# Altium PCB TimeKeeper.PcbDoc (part 1 of 2)
Units mm, origin at the board's own origin, x right, y up, seen from the top; angles counter-clockwise.
Board outline 127 x 94 mm, 4 copper layers (Top Layer, Layer 1, Layer 2, Bottom Layer), stack 0.603 mm thick; 87 components, 101 nets, 728 pads, 717 vias.
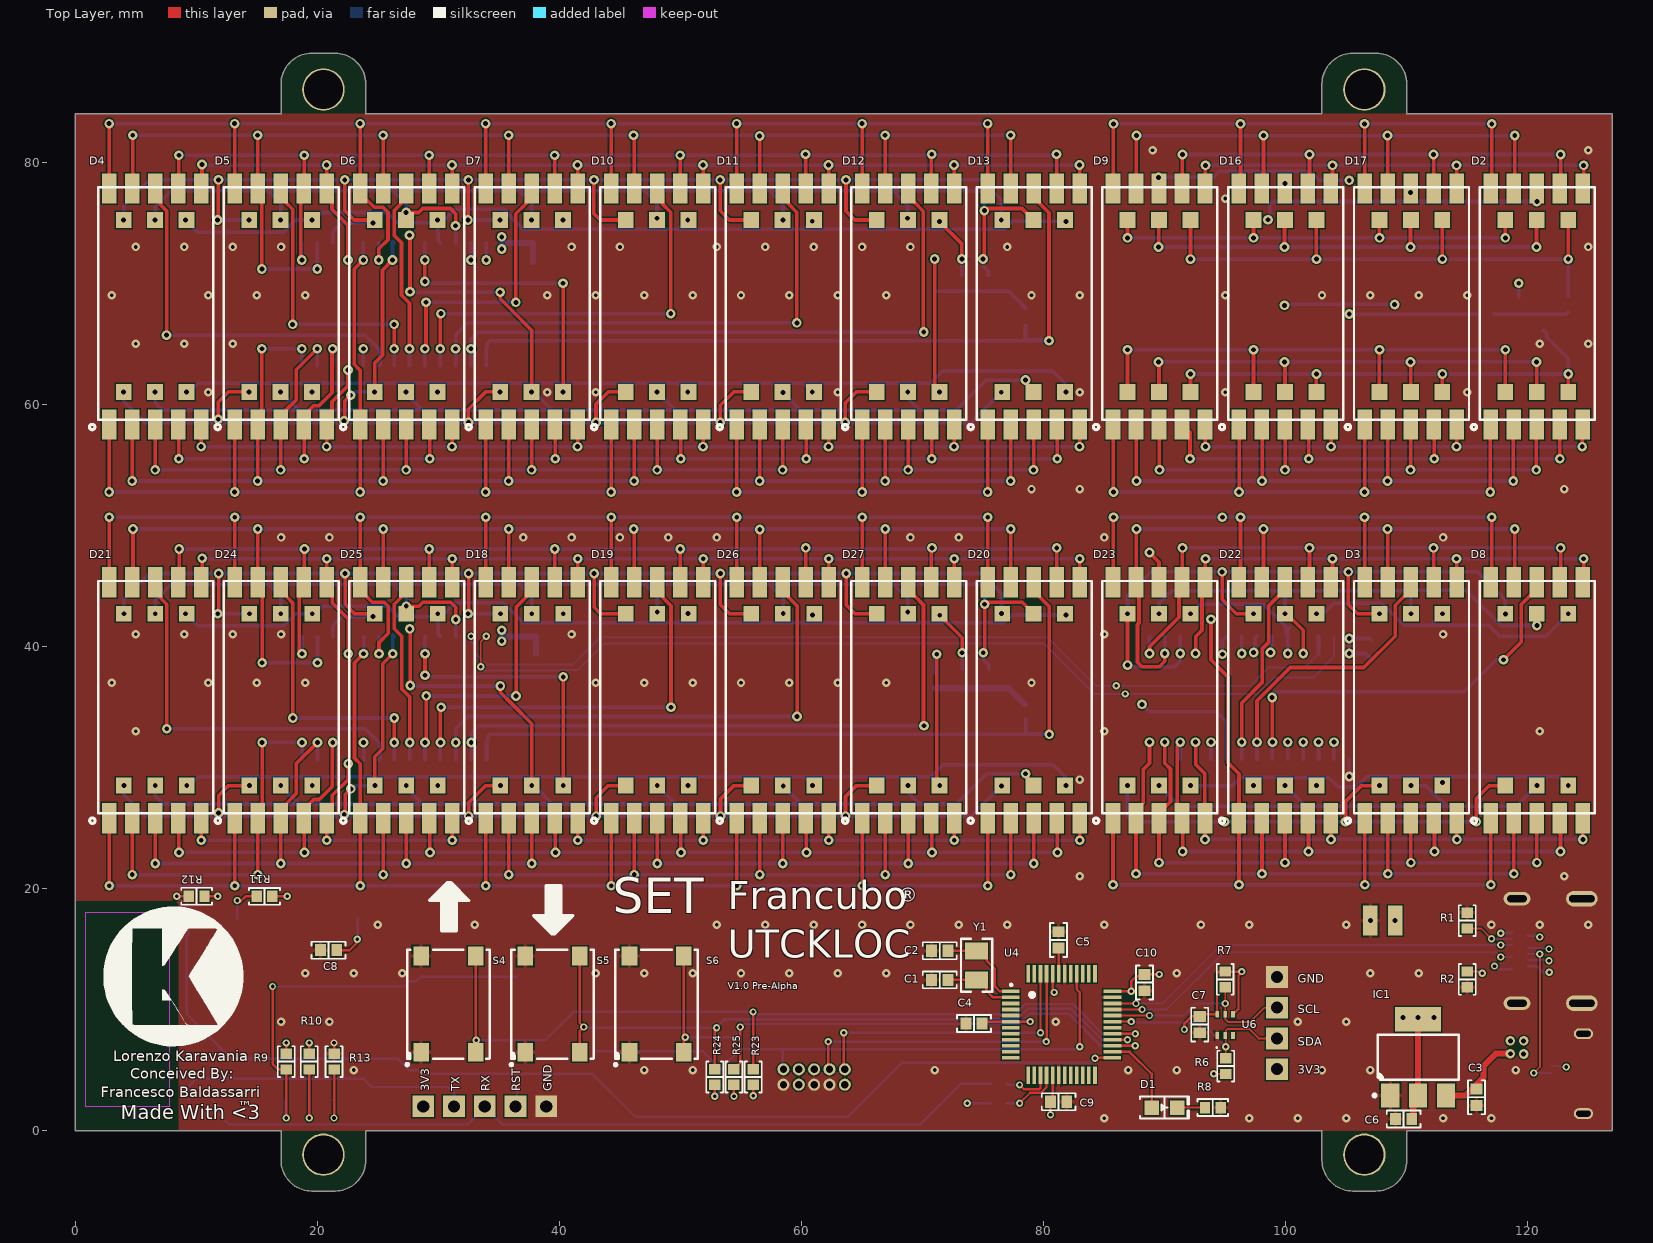
[diagram p0: Top Layer view]
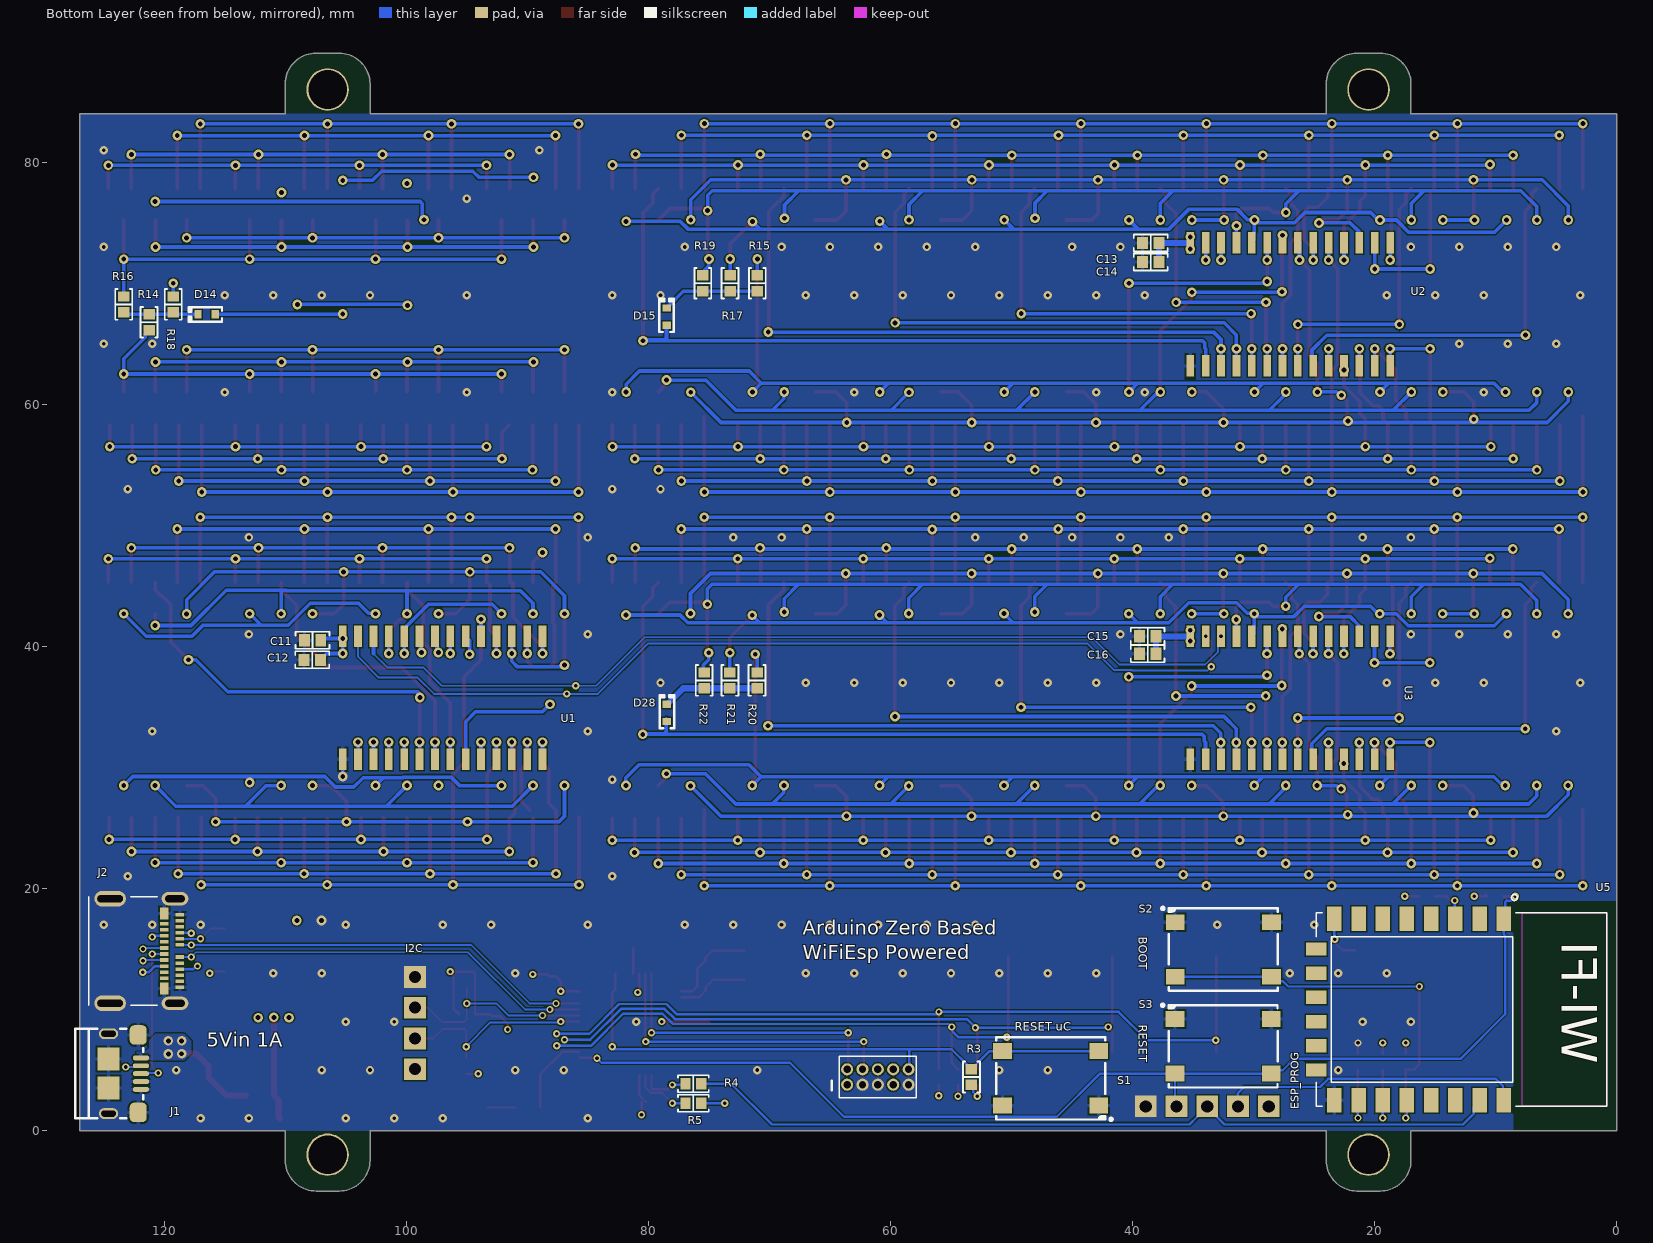
[diagram p1: Bottom Layer view, seen from below]
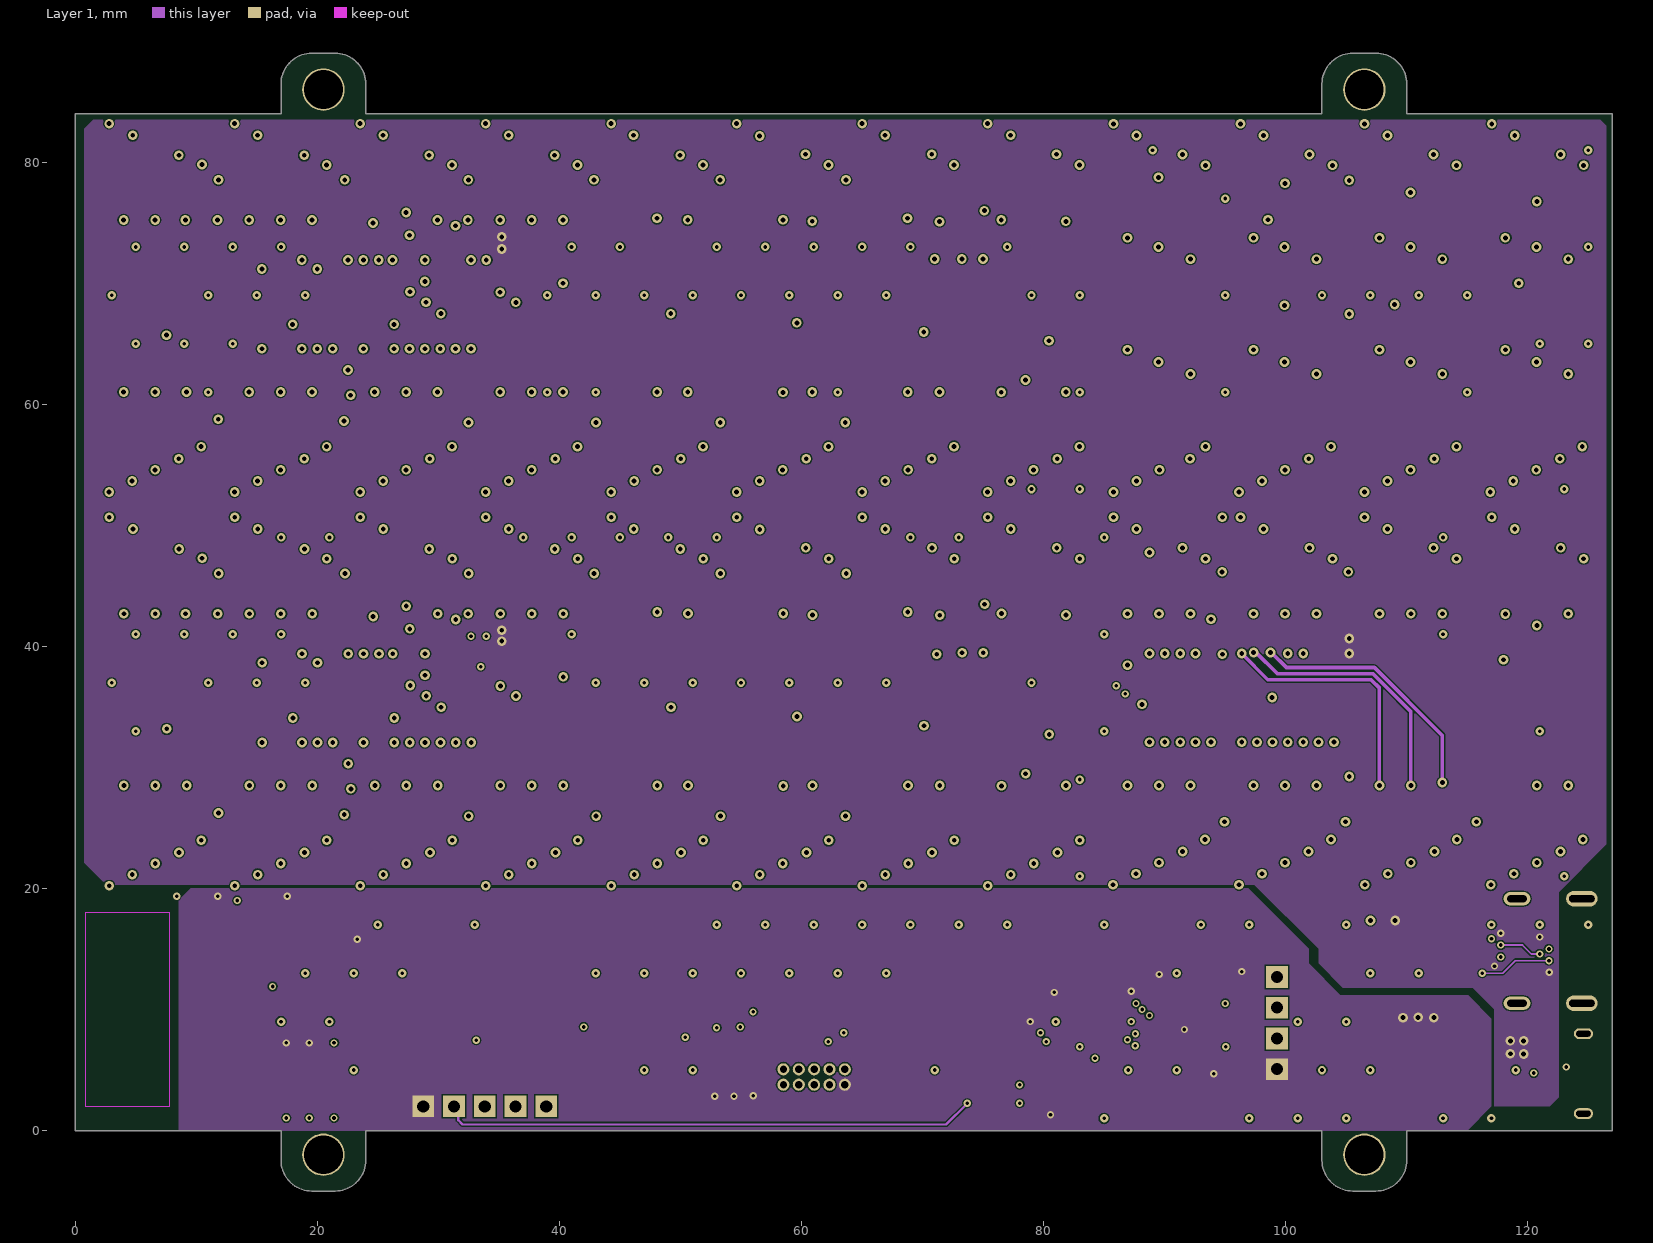
[diagram p2: Layer 1]
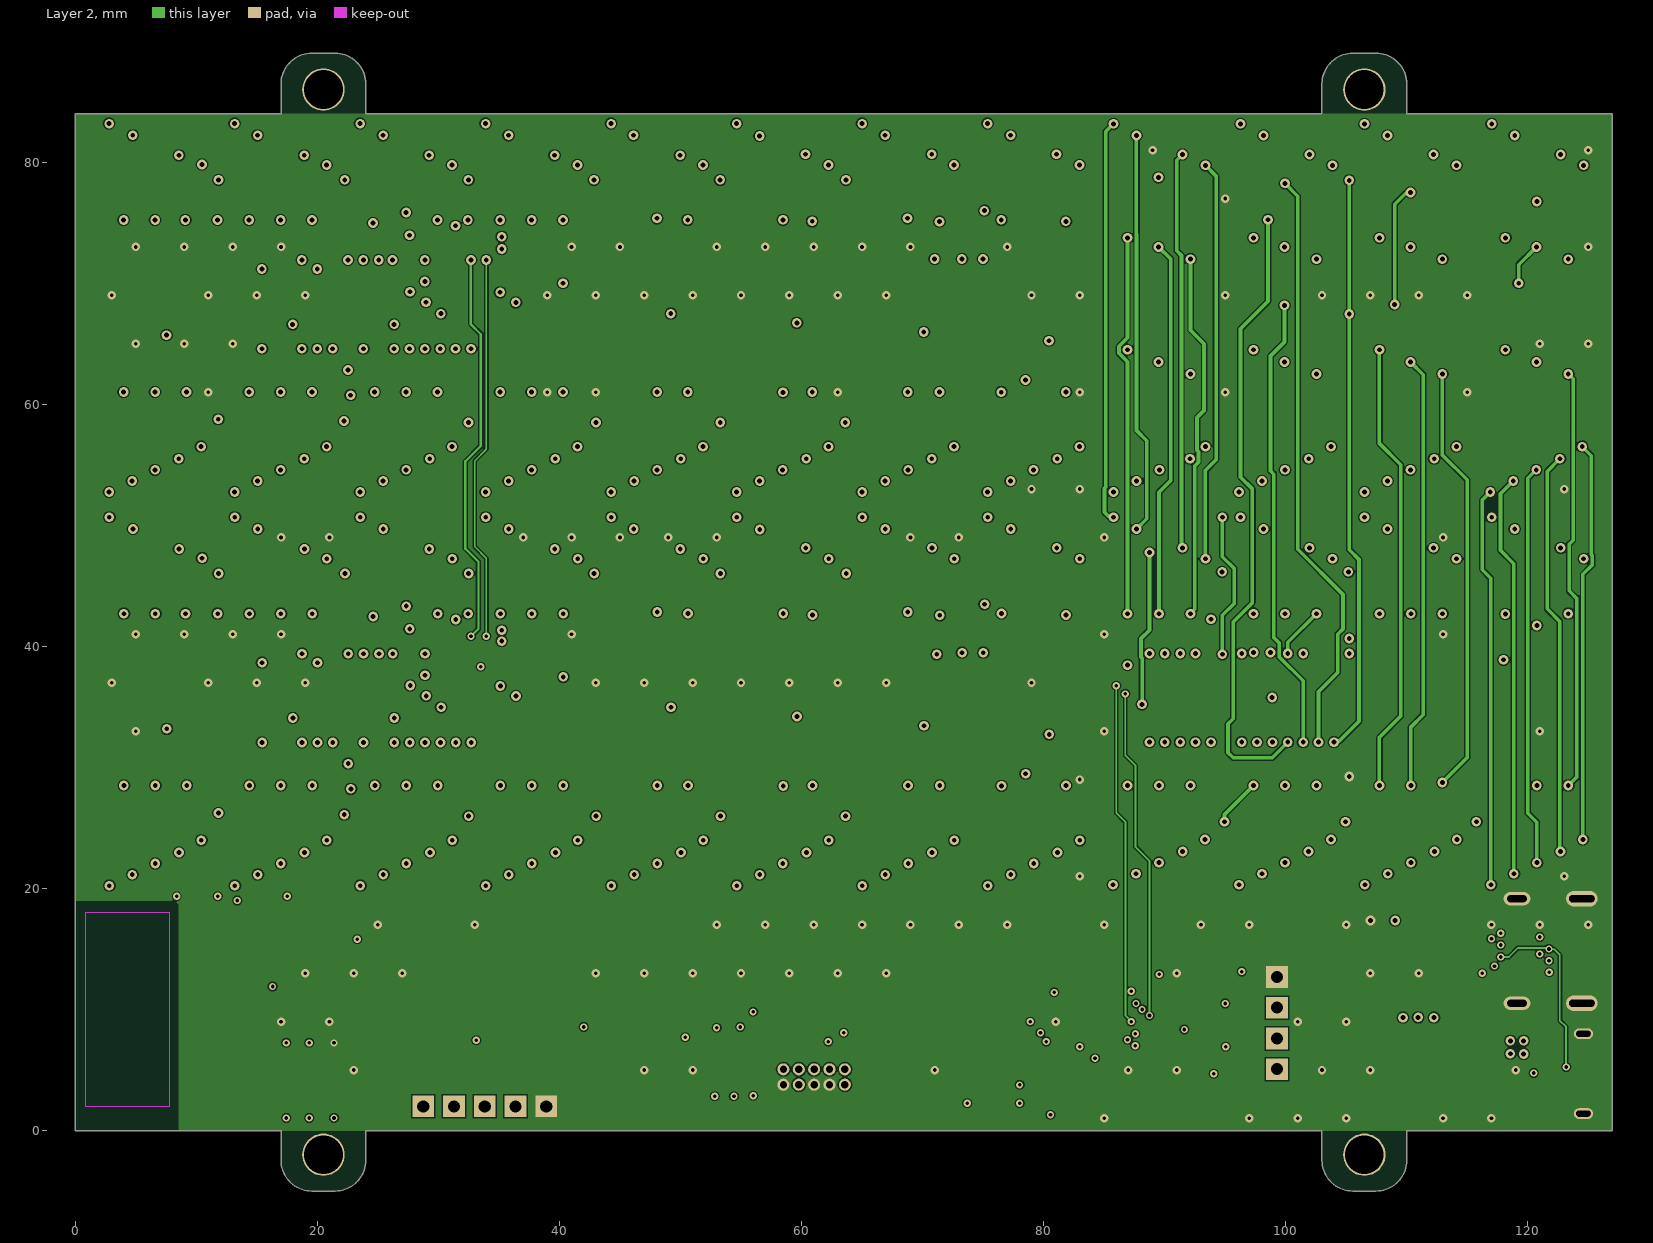
[diagram p3: Layer 2]
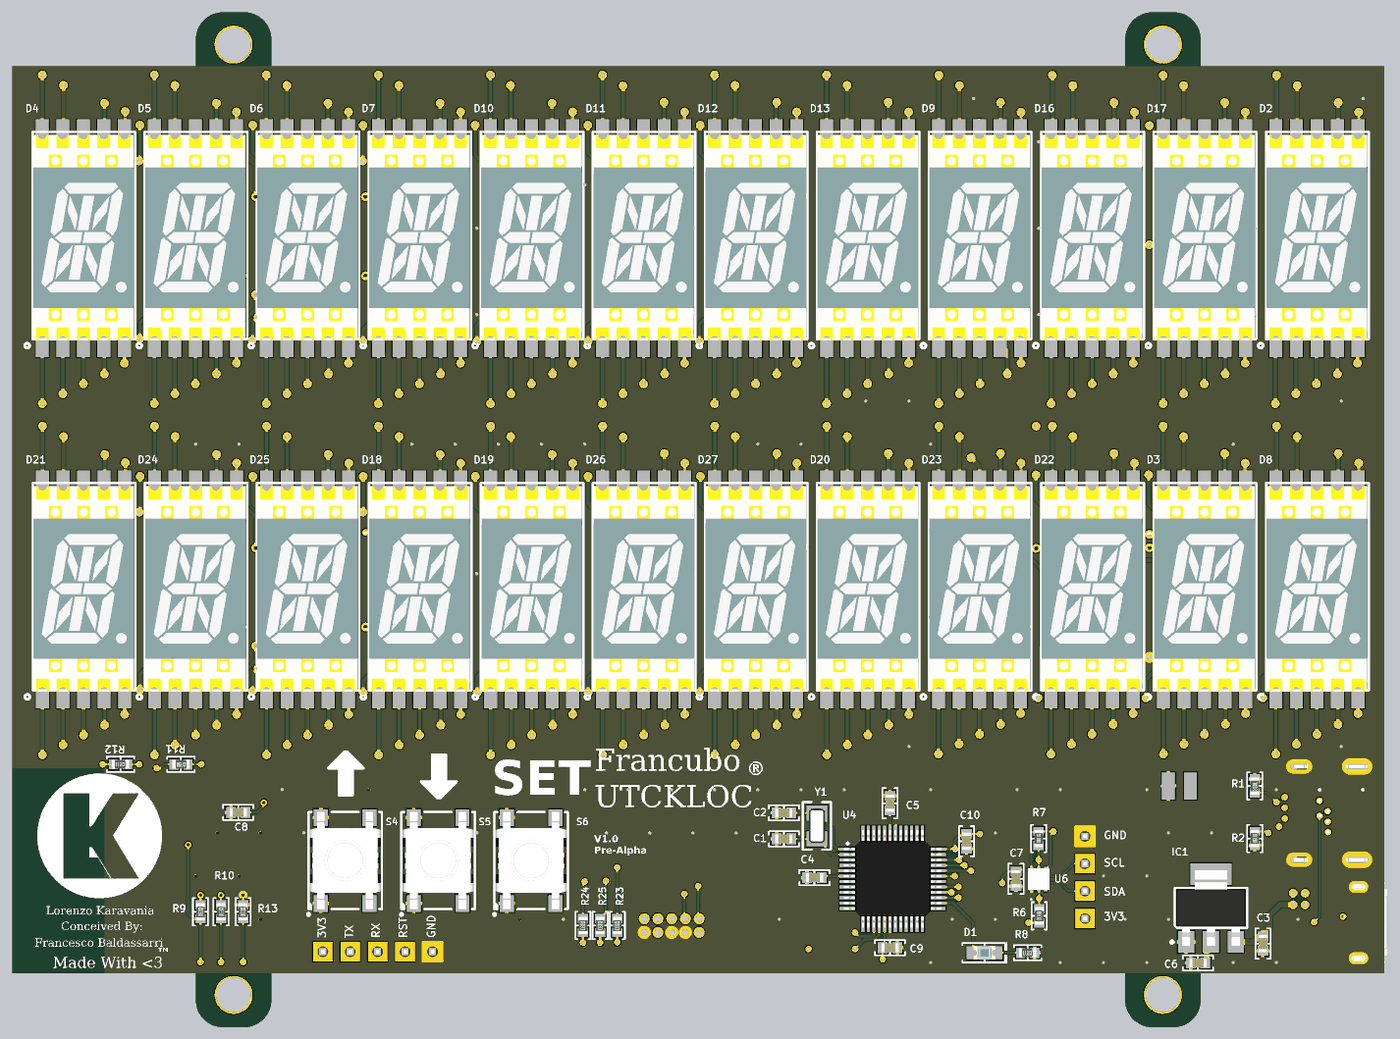
[diagram p5: 3D render of the assembled board from above, using the file's embedded part models]
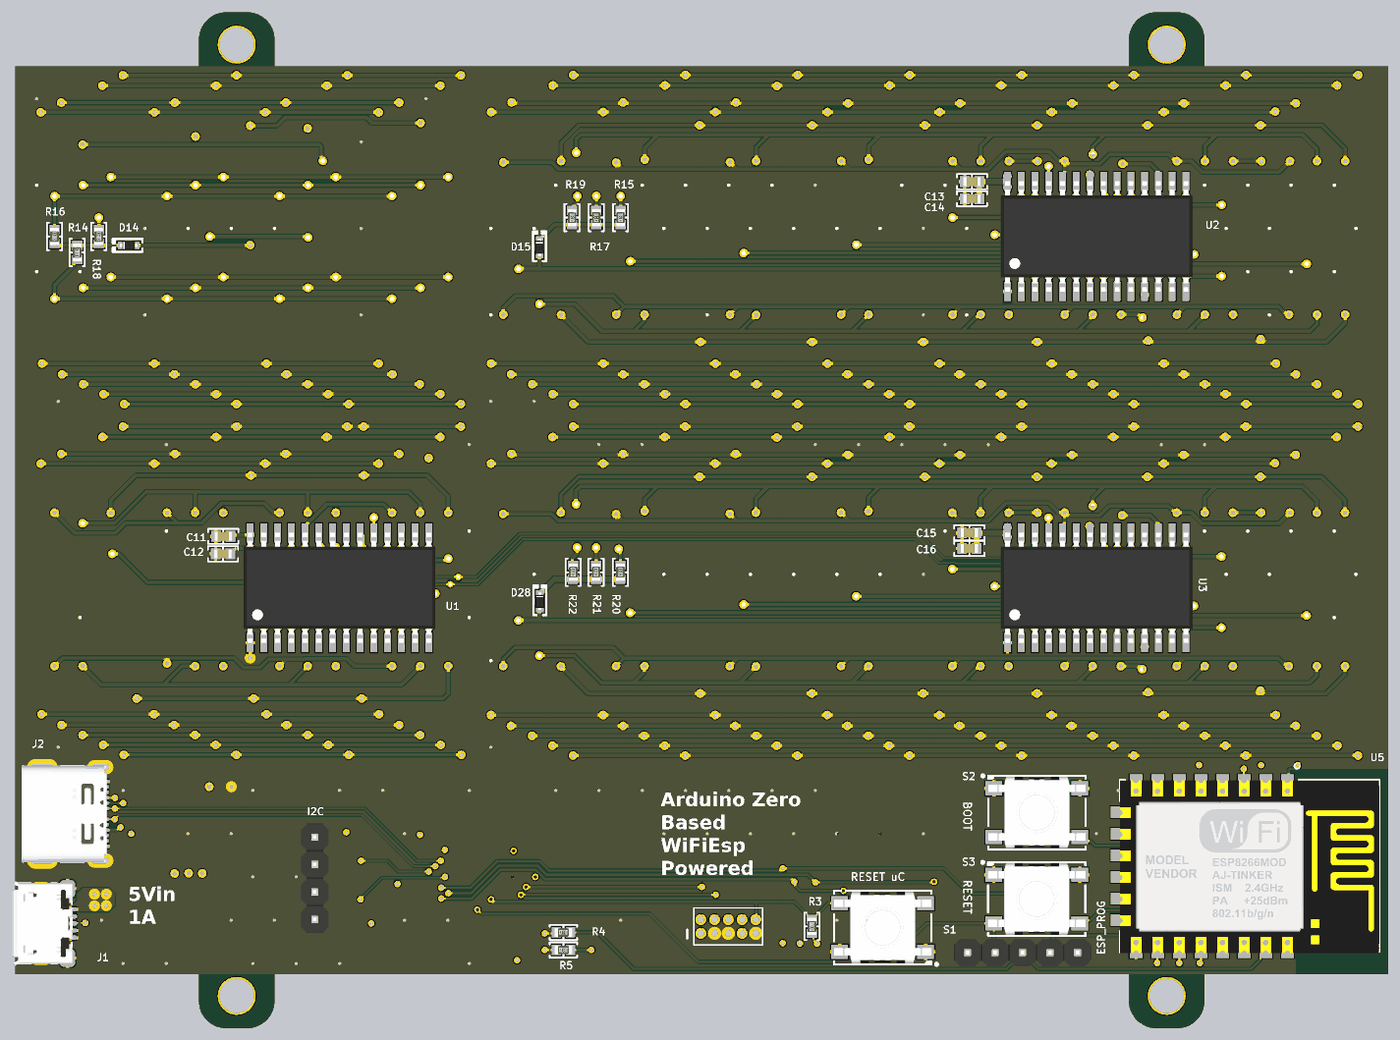
[diagram p6: 3D render of the assembled board from below, using the file's embedded part models]

## Layer stack, top to bottom
Top Solder: solder mask 0.0102, Solder Resist, Dk 3.5
Top Layer: signal copper 0.0356
Dielectric 2: prepreg 0.0711, PP-006, Dk 4.1
Layer 1: signal copper 0.035
Dielectric 1: dielectric 0.32, FR-4, Dk 4.8
Layer 2: signal copper 0.035
Dielectric 3: prepreg 0.0711, PP-006, Dk 4.1
Bottom Layer: signal copper 0.0356
Bottom Solder: solder mask 0.0102, Solder Resist, Dk 3.5

## Board outline
110,0 110,-2.46 cw(c107.46,-2.46) 107.46,-5 105.54,-5 cw(c105.54,-2.46) 103,-2.46 103,0 24,0 24,-2.46 cw(c21.46,-2.46) 21.46,-5 19.54,-5 cw(c19.54,-2.46) 17,-2.46 17,0 0,0 0,84 17,84 17,86.46 cw(c19.54,86.46) 19.54,89 21.46,89 cw(c21.46,86.46) 24,86.46 24,84 103,84 103,86.46 cw(c105.54,86.46) 105.54,89 107.46,89 cw(c107.46,86.46) 110,86.46 110,84 127,84 127,0

## Design rules (kind name [scope] priority, off if disabled: settings)
Clearance "Stitching GND" [IsStitchingVia and InNet('GND') vs (IsVia and (Not IsStitchingVia)) Or IsPad] p1: gap=0.4 ignorepadtopadclearanceinfootprint=FALSE
Clearance "Stitching No Net" [IsStitchingVia and InNet('No Net') vs (IsVia and (Not IsStitchingVia)) Or IsPad] p2: gap=0.127 ignorepadtopadclearanceinfootprint=FALSE
Clearance [All] p3: gap=0.102 ignorepadtopadclearanceinfootprint=FALSE
DiffPairsRouting [All] p1: maxlimit=0.61 minlimit=0.2 mostfreqgap=0.2 toplayer_minwidth=0.152 toplayer_maxwidth=0.7 toplayer_prefwidth=0.19 midlayer1_minwidth=0.152 midlayer1_maxwidth=0.7 midlayer1_prefwidth=0.19 midlayer2_minwidth=0.152 midlayer2_maxwidth=0.7 midlayer2_prefwidth=0.19 bottomlayer_minwidth=0.152 bottomlayer_maxwidth=0.7 bottomlayer_prefwidth=0.19 maxuncoupledlength=12.7
MinimumSolderMaskSliver [All] p1: minsoldermaskwidth=0.05
PlaneConnect [All] p1: pad.planeconnectstyle=Relief pad.reliefexpansion=0.508 pad.reliefentries=4 pad.reliefconductorwidth=0.254 pad.reliefairgap=0.254 via.planeconnectstyle=Direct via.reliefexpansion=0.508 via.reliefentries=4 via.reliefconductorwidth=0.254 via.reliefairgap=0.254
PolygonConnect [All] p1: thpad.connectstyle=Direct thpad.reliefconductorwidth=0.254 thpad.reliefentries=4 thpad.polygonreliefangle="90 Angle" thpad.airgapwidth=0.254 smdpad.connectstyle=Relief smdpad.reliefconductorwidth=0.3 smdpad.reliefentries=4 smdpad.polygonreliefangle="90 Angle" smdpad.airgapwidth=0.15 via.connectstyle=Direct via.reliefconductorwidth=0.254 via.reliefentries=4 via.polygonreliefangle="90 Angle" via.airgapwidth=0.254
RoutingVias [All] p1: holewidth=0.3 width=0.6 viastyle="Through Hole" minholewidth=0.2 minwidth=0.5 maxholewidth=3 maxwidth=3
SilkToSilkClearance [All] p1: silktosilkclearance=0
SilkToSolderMaskClearance [IsPad] p1: minsilkscreentomaskgap=0.05 clearancetoexposedcopper=TRUE
SolderMaskExpansion [All] p1: expansion=0.102 istentingtop=FALSE
Width [All] p1: maxlimit=2 minlimit=0.102 preferedwidth=0.2
25 further rules are at their usual default settings.

## Classes and differential pairs
component class LED-DRIVER: C11 C12 C13 C14 C15 C16 D2 D3 D4 D5 D6 D7 D8 D9 D10 D11 D12 D13 D14 D15 D16 D17 D18 D19 D20 D21 D22 D23 D24 D25 D26 D27 D28 R14 R15 R16 R17 R18 R19 R20 R21 R22 U1 U2 U3
component class CPU-WiFi: C1 C2 C3 C4 C5 C6 C7 C8 C9 C10 D1 ESP_PROG I2C IC1 J1 J2 R1 R2 R3 R4 R5 R6 R7 R8 R9 R10 R11 R12 R13 R23 R24 R25 S1 S2 S3 S4 S5 S6 U4 U5 U6 Y1

## Components (designator, comment, footprint, x,y, rotation, side; value= is the part's Value field where it differs from the comment)
C1 "18pF" "CAP 0603_1608" 71.423,12.45 r0 top
C2 "18pF" "CAP 0603_1608" 71.423,14.85 r0 top
C3 "0.1µF" "CAP 0603_1608" 115.754,2.75 r90 top
C4 "0.1µF" "CAP 0603_1608" 74.25,8.85 r0 top
C5 "0.1µF" "CAP 0603_1608" 81.241,15.75 r270 top
C6 "0.1µF" "CAP 0603_1608" 109.745,0.95 r0 top
C7 "0.1µF" "CAP 0603_1608" 92.902,8.75 r90 top
C8 "0.1µF" "CAP 0603_1608" 20.925,14.9 r0 top
C9 "10µF" "CAP 0603_1608" 81.241,2.375 r180 top
C10 "0.1µF" "CAP 0603_1608" 88.334,12.225 r90 top
C11 "0.1µF" "CAP 0603_1608" 107.745,40.506 r180 bottom
C12 "0.1µF" "CAP 0603_1608" 107.77,38.89 r180 bottom
C13 "0.1µF" "CAP 0603_1608" 38.5,73.332 r180 bottom
C14 "0.1µF" "CAP 0603_1608" 38.5,71.75 r180 bottom
C15 "0.1µF" "CAP 0603_1608" 38.75,40.832 r180 bottom
C16 "0.1µF" "CAP 0603_1608" 38.75,39.394 r180 bottom
D1 "Green" "LED 0805_2012 GREEN" 89.984,1.9 r0 top
D2 "14 Segment Display" "14 Seg Display" 120.75,68.122 r0 top
D3 "14 Segment Display" "14 Seg Display" 110.345,35.6 r0 top
D4 "14 Segment Display" "14 Seg Display" 6.595,68.122 r0 top
D5 "14 Segment Display" "14 Seg Display" 16.963,68.122 r0 top
D6 "14 Segment Display" "14 Seg Display" 27.332,68.122 r0 top
D7 "14 Segment Display" "14 Seg Display" 37.7,68.122 r0 top
D8 "14 Segment Display" "14 Seg Display" 120.75,35.6 r0 top
D9 "14 Segment Display" "14 Seg Display" 89.534,68.122 r0 top
D10 "14 Segment Display" "14 Seg Display" 48.068,68.122 r0 top
D11 "14 Segment Display" "14 Seg Display" 58.437,68.122 r0 top
D12 "14 Segment Display" "14 Seg Display" 68.805,68.122 r0 top
D13 "14 Segment Display" "14 Seg Display" 79.173,68.122 r0 top
D14 "1N4148X-TP" SOD-523 116.5,67.428 r0 bottom
D15 "1N4148X-TP" SOD-523 78.5,67.25 r90 bottom
D16 "14 Segment Display" "14 Seg Display" 99.939,68.122 r0 top
D17 "14 Segment Display" "14 Seg Display" 110.345,68.122 r0 top
D18 "14 Segment Display" "14 Seg Display" 37.71,35.6 r0 top
D19 "14 Segment Display" "14 Seg Display" 48.076,35.6 r0 top
D20 "14 Segment Display" "14 Seg Display" 79.173,35.6 r0 top
D21 "14 Segment Display" "14 Seg Display" 6.613,35.6 r0 top
D22 "14 Segment Display" "14 Seg Display" 99.939,35.6 r0 top
D23 "14 Segment Display" "14 Seg Display" 89.534,35.6 r0 top
D24 "14 Segment Display" "14 Seg Display" 16.979,35.6 r0 top
D25 "14 Segment Display" "14 Seg Display" 27.345,35.6 r0 top
D26 "14 Segment Display" "14 Seg Display" 58.442,35.6 r0 top
D27 "14 Segment Display" "14 Seg Display" 68.807,35.6 r0 top
D28 "1N4148X-TP" SOD-523 78.468,34.5 r90 bottom
ESP_PROG "Header 1x5" "Header 1x5 male" 33.829,2 r180 bottom
I2C "Header 1x4" "Header 1x4 male" 99.289,7.61 r270 bottom
IC1 "LD1117S33TR" "ST SOT-223" 110.945,6.05 r90 top
J1 "10118193-0001LF" "FCI USB 10118193-0001LF" 124.55,4.7 r90 bottom
J2 "105450-0101" MOLEX_105450-0101 122.47,14.835 r270 bottom
R1 "5.1 kOhms" "RES 0603_1608" 115,17.35 r270 top
R2 "5.1 kOhms" "RES 0603_1608" 115,12.483 r90 top
R3 "10 kOhms" "RES 0603_1608" 53.309,4.421 r270 bottom
R4 "Short" "RES 0603_1608" 76.291,3.87 r0 bottom
R5 "Short" "RES 0603_1608" 76.291,2.25 r0 bottom
R6 "5.1 kOhms" "RES 0603_1608" 95.052,5.32 r270 top
R7 "5.1 kOhms" "RES 0603_1608" 95,12.483 r90 top
R8 "1 kOhms" "RES 0603_1608" 93.977,1.9 r0 top
R9 "10 kOhms" "RES 0603_1608" 17.432,5.691 r90 top
R10 "10 kOhms" "RES 0603_1608" 19.332,5.691 r90 top
R11 "10 kOhms" "RES 0603_1608" 15.632,19.35 r0 top
R12 "10 kOhms" "RES 0603_1608" 10.026,19.356 r0 top
R13 "10 kOhms" "RES 0603_1608" 21.379,5.691 r90 top
R14 "47 kOhms" "RES 0603_1608" 121.25,66.778 r90 bottom
R15 "47 kOhms" "RES 0603_1608" 71,70 r270 bottom
R16 "47 kOhms" "RES 0603_1608" 123.35,68.25 r270 bottom
R17 "47 kOhms" "RES 0603_1608" 73.25,70 r270 bottom
R18 "47 kOhms" "RES 0603_1608" 119.25,68.25 r270 bottom
R19 "47 kOhms" "RES 0603_1608" 75.5,70 r270 bottom
R20 "47 kOhms" "RES 0603_1608" 71.018,37.192 r270 bottom
R21 "47 kOhms" "RES 0603_1608" 73.268,37.192 r270 bottom
R22 "47 kOhms" "RES 0603_1608" 75.391,37.192 r270 bottom
R23 "10 kOhms" "RES 0603_1608" 56.01,4.421 r90 top
R24 "10 kOhms" "RES 0603_1608" 52.834,4.421 r90 top
R25 "10 kOhms" "RES 0603_1608" 54.418,4.421 r90 top
S1 "B3S-1000P" "OMRON B3S-1000P" 46.776,4.271 r0 bottom
S2 "B3S-1000P" "OMRON B3S-1000P" 32.496,15 r180 bottom
S3 "B3S-1000P" "OMRON B3S-1000P" 32.51,7 r180 bottom
S4 "B3S-1000P" "OMRON B3S-1000P" 30.785,10.45 r90 top
S5 "B3S-1000P" "OMRON B3S-1000P" 39.386,10.45 r90 top
S6 "B3S-1000P" "OMRON B3S-1000P" 47.987,10.45 r90 top
U1 "HT16K33_SOP28_SKINNY" SOP28_300MIL_SKINNY 97,35.75 r180 bottom
U2 "HT16K33_SOP28_SKINNY" SOP28_300MIL_SKINNY 26.975,68.252 r180 bottom
U3 "HT16K33_SOP28_SKINNY" SOP28_300MIL_SKINNY 26.975,35.752 r180 bottom
U4 "ATSAMD21G18A-AF" QFP50P900X900X120-48N 81.491,8.75 r0 top
U5 "ESP8266-12E/ESP-12E" XCVR_ESP8266-12E/ESP-12E 16.329,10 r270 bottom
U6 "VEML6030" VISHAY_VEML6030_2X2X0.87 95,8.725 r90 top
Y1 "32.768kHz" "ABRACON ABS07" 74.475,13.65 r90 top
